# KiCad board popstar.kicad_pcb (continued)
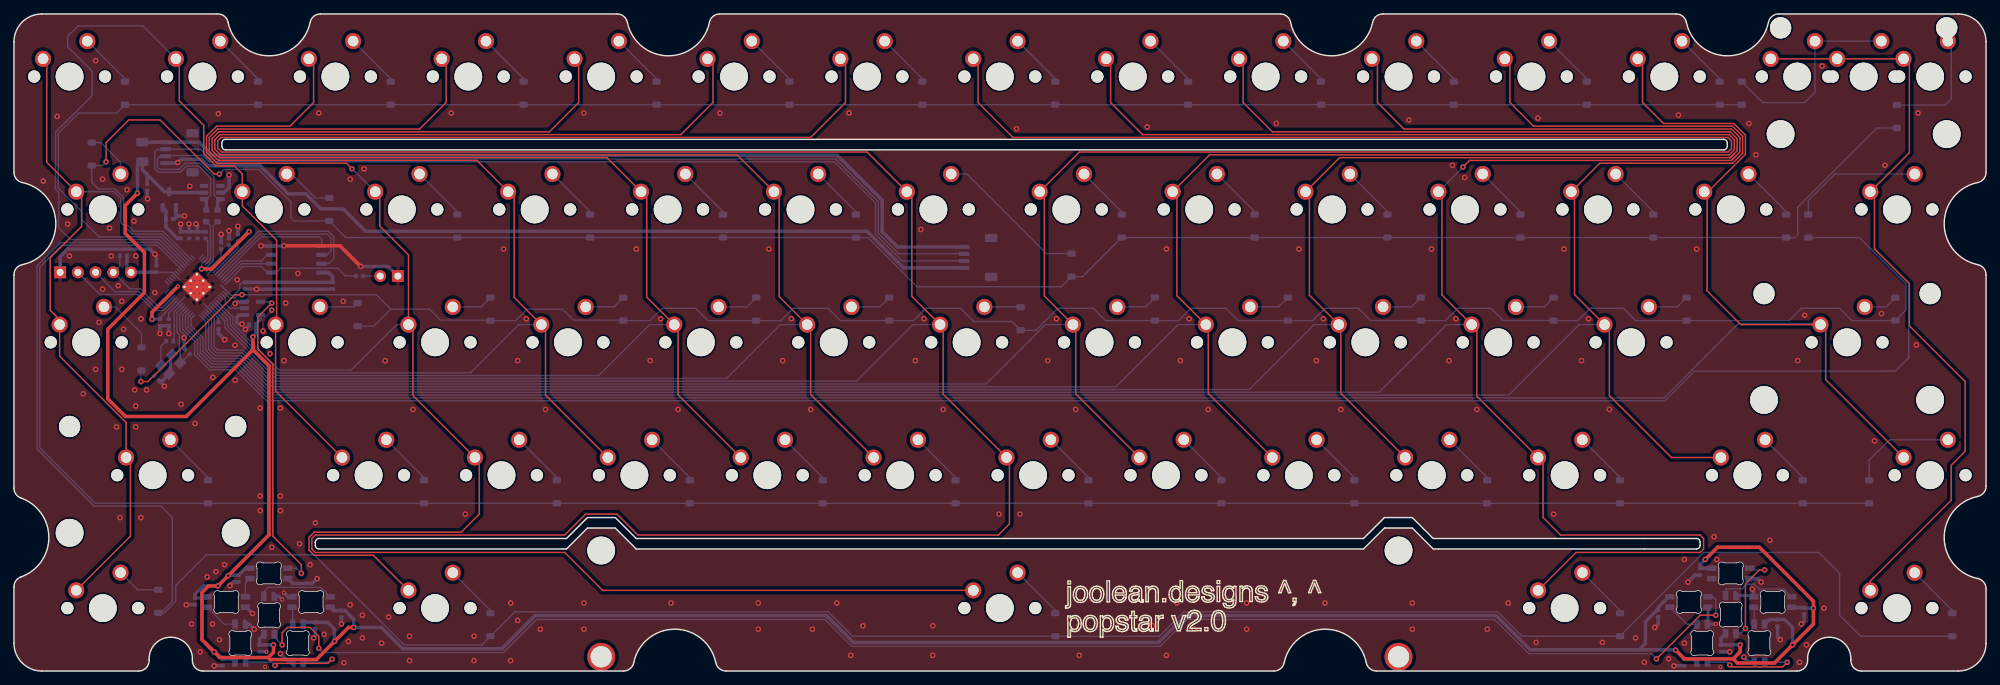
[diagram p0: board, top side]
## Nets (continued)
Net-(D45-A): D45.2 SW35.2
Net-(D46-A): D46.2 SW36.2
Net-(D47-A): D47.2 SW37.2
Net-(D48-A): D48.2 SW38.2
Net-(D49-A): D49.2 SW39.2
Net-(D50-A): D50.2 SW40.2
Net-(D51-A): D51.2 SW41.2
Net-(D52-A): D52.2 SW42.2
Net-(D53-A): D53.2 SW43.2
Net-(D54-A): D54.2 SW44.2
Net-(D55-A): D55.2 SW45.2
Net-(D56-A): D56.2 SW46.2
Net-(D57-A): D57.2 SW47.2
Net-(D58-A): D58.2 SW48.2
Net-(D59-A): D59.2 SW49.2
Net-(D60-A): D60.2 SW50.2
Net-(D61-A): D61.2 SW51.2
Net-(D62-A): D62.2 SW52.2
Net-(D63-A): D63.2 SW53.2
Net-(D64-A): D64.2 SW54.2
Net-(D65-A): D65.2 SW55.2
Net-(D66-A): D66.2 SW56.2
Net-(D67-A): D67.2 SW57.2
Net-(D68-A): D68.2 SW58.2
Net-(D69-A): D69.2 SW59.2
Net-(D70-A): D70.2 SW60.2
Net-(D71-A): D71.2 SW61.2
Net-(D72-A): D72.2 SW62.2

Pads without a net: D12 2; J1 MP; J1#2 MP; U3 1 6; U6 4 5 27 28 29 30 31 32 34 35

## Via types
v1: diameter 0.8, hole 0.4, Top to Bottom, 255 vias
v2: diameter 0.6, hole 0.3, Top to Bottom, 7 vias

## Routing (per net, layer and track width the routed paths; a pad name or vN(x,y) marks a point on that pad's centre or on a via; arc(x,y) is an arc through that point)
+1V1: length 32.7
  Top w0.5: v1(19.79,50.43) 19.79,51.44 v2(23.5,55.15) ; v1(26.9,57.65) 28.35,57.65 v1(33.7,63)
  Bottom w0.2: U6.50 32.11,60.65 C1.1 ; U6.23 20.93,50.61 C3.1 ; C2.1 27.77,61.72 27.77,59.14 U6.45 26.9,58.28 v1(26.9,57.65)
  Bottom w0.5: C1.1 32.33,61.63 v1(33.7,63) ; v1(19.79,50.43) 19.83,50.47 C3.1
+3V3: length 54
  Bottom w0.2: 24.49,53.6 U6.22 22.2,51.31 C9.1 ; C5.1 32.71,55.73 32.36,55.38 32.36,54.74 31.5,53.88 31.09,53.88 U6.1 29.62,55.35 ; 27.57,57.25 U6.48 29.69,59.37 C11.1 ; C12.1 29.31,50.57 U6.10 27.1,52.78 ; C7.1 30.84,59.95 U6.49 27.83,56.94 ; C8.1 22.69,57.19 U6.33 ; U6.33 23.73,56.15 ; U6.33 22.72,57.16
  Bottom w0.5: R1.1 16.2,59.53 16.2,57.74 J2.5 16.81,57.19 C8.1 ; U4.8 45.07,57.13 45.7,56.5 C17.1 45.7,55.73 C5.1 ; C4.1 23.43,62.02 21.78,63.67 C16.1 21.78,65.96 U2.2
+5V: length 466.4
  Top w0.5: 36.45,1.94 37.2,2.69 v1(37.2,3.75) ; 36.45,1.94 29.51,1.94 v1(28.7,2.75) ; 36.45,1.94 36.74,1.65 43.35,1.65 v1(45.95,4.25) 47.95,6.25 v1(48.7,6.25) ; 27.58,3.87 v1(28.7,2.75) ; 27.58,3.87 v1(28.7,2.75) ; 27.58,3.87 26.95,4.5 26.95,11.25 27.91,12.2 v1(29.25,12.2) v1(30.72,13.68) 36.55,19.51 36.55,43.77 34.25,46.07 34.25,47 ; 246.45,1.75 247.05,1.15 252.35,1.15 v1(254.95,3.75) 257.95,6.75 v1(257.95,9) 257.95,10 250.2,17.75 244.2,17.75 v1(242.45,16) ; 246.45,1.75 247.45,2.75 v1(247.45,3.75) ; 246.45,1.75 239.45,1.75 v1(238.2,3) ; v1(34.25,47.91) 34.25,47 ; 34.25,47 34.25,46.05 24.7,36.5 15.98,36.5 13.45,39.03 13.45,49 18.7,54.25 18.7,60 15.95,62.75 15.95,66.75 v1(17.7,68.5)
  Bottom w0.5: v1(45.95,4.25) 45.95,6 44.97,6.98 C22.1 41.71,6.98 D4.1 ; v1(254.95,3.75) 254.95,6.25 253.82,7.38 C27.1 251.61,7.38 D9.1 ; U5.5 35.34,50.41 C18.1 34.68,48.34 v1(34.25,47.91) ; D11.1 244.7,4.72 C29.1 244.72,3.75 v1(247.45,3.75) ; D6.1 35.2,4.65 C24.1 35.22,3.75 v1(37.2,3.75) ; 232.95,3.05 238.15,3.05 v1(238.2,3) 239.45,1.75 C26.1 240.8,1.73 D8.1 ; 232.95,3.05 233.87,3.97 233.87,7.08 235.52,8.73 C25.1 235.7,9.15 237.2,10.65 237.38,10.65 ; 232.95,3.05 217.37,3.05 212.47,7.95 167.93,7.95 164.07,4.09 120.33,4.09 116.47,7.95 74.7,7.95 69.95,3.2 55.72,3.2 52.67,6.25 v1(48.7,6.25) 48.7,7.43 47.45,8.68 C23.1 45.8,8.68 D5.1 ; D1.1 33.22,14.75 C19.1 30.77,13.73 v1(30.72,13.68) ; v1(257.95,9) 256.68,9 C28.1 254.9,9.08 D10.1 ; U3.5 22.38,68.59 U2.3 21.57,68.71 18.74,71.54 ; 18.74,71.54 19.09,71.19 C15.1 ; 18.74,71.54 18.39,71.89 F1.2 17.7,72.34 v1(17.7,68.5) ; v1(28.7,2.75) 28.93,2.75 C21.1 31.25,1.73 D3.1 ; 243.38,14.75 243.36,14.73 C30.1 241.7,15.25 v1(242.45,16) ; v1(29.25,12.2) 27.16,12.2 25.95,11 C20.1 27.56,10.48 D2.1
GND: length 279.2
  Top w0.5: v1(49.7,58) 46.73,60.97 v1(38.71,60.97)
  Top w0.6: U6.57 U6.57 ; U6.57 U6.57 ; U6.57 U6.57 ; U6.57 U6.57 ; U6.57 U6.57 ; U6.57 U6.57 ; U6.57 U6.57 ; U6.57 U6.57 ; U6.57 U6.57 ; U6.57 U6.57 ; U6.57 U6.57 ; U6.57 U6.57 ; U6.57 U6.57 ; U6.57 U6.57 ; U6.57 U6.57 ; U6.57 U6.57
  Bottom w0.2: 34.74,54.77 v1(34.77,54.74) ; v1(24.4,47.79) 24.4,48.22 23.76,48.86 23.76,49.5 ; 23.76,49.5 23.76,51.18 U6.19 ; 23.76,49.5 23.76,49.05 ; 24.48,46.16 C13.1 ; 243.93,6.72 v2(243.95,6.75)
  Bottom w0.5: v2(36.2,2.75) 36.18,2.77 C24.2 ; v1(24.7,9.5) 24.72,9.52 C20.2 ; D3.4 33.73,6.72 v1(34.45,6) ; v1(38.71,60.97) 38.68,60.94 U4.4 35.44,60.94 v1(35.41,60.97) ; C25.2 235.7,6.75 v1(235.2,6.25) ; v1(34.77,54.74) 45.68,54.74 C17.2 ; v2(38.7,11.25) 39.3,10.65 D5.4 ; v1(245.95,2.75) 245.93,2.77 C29.2 ; C12.2 29.31,48.39 v1(30.2,47.5) ; J1.4 127.53,57.8 122.29,63.04 50.41,63.04 47.2,66.25 44.02,66.25 41.86,68.41 39.32,68.41 35.27,72.45 27.77,72.45 26.86,73.36 23.92,73.36 v1(23.47,72.91) 23.37,72.8 J1#2.4 ; v1(43.45,13.25) 42.75,12.55 39.98,12.55 39.28,13.25 ; v1(237.95,0.75) 237.97,0.77 C26.2 ; 23.45,65.25 23.21,65.49 U2.1 ; 23.45,65.25 v1(24.45,65.25) ; 23.45,65.25 23.01,64.81 C16.2 ; 243.93,6.72 D8.4 242.83,6.8 D7.4 ; C23.2 v1(46.95,6.75) ; v1(24.4,47.79) 24.4,46.24 C13.1 ; C30.2 240.97,13.77 v1(239.95,12.75) ; C18.2 33.72,49.52 v1(33.18,48.98) ; Y1.2 22.44,45.19 22.44,42.79 Y1.4 21.28,41.63 C14.1 v1(21.56,40.82) ; C5.2 34.74,54.77 ; v1(23.9,64.09) C4.2 C6.2 ; v1(32.7,49.75) 32.2,49.75 31.95,50 31.95,50.75 32.25,51.05 U5.1 ; U5.3 31.95,52.95 v1(31.7,52.7) ; C1.2 v1(32.11,63.76) ; v1(20.93,48.39) C3.2 C9.2 v1(22.2,48.39) ; D9.4 248.68,1.27 v1(247.95,2) ; D11.4 249.2,10.82 249.38,10.65 249.38,11.57 v1(249.2,11.75) ; D6.4 37.98,10.72 v2(38.45,10.25) ; v1(30.95,12.25) 31.47,12.77 C19.2 ; C21.2 28.72,0.77 v1(28.7,0.75) ; v1(38.2,2.5) 39.43,1.27 D4.4 ; C10.2 26.3,63.89 v1(26.1,64.09) ; C10.2 C6.2 ; C10.2 C2.2 ; v1(250.45,12.75) 249.95,13.25 D12.4 ; v1(34.2,8.25) 33.3,9.15 D2.4 ; v1(30.84,71.13) 30.84,69.3 30.12,68.59 U3.2 ; C6.2 v1(25.1,64.09) ; C8.2 20.42,59.53 v1(20.2,59.75) 19.45,60.5 7.7,60.5 6.62,59.42 J2.1 ; v1(42.95,4.75) 43.2,5 C22.2 ; C15.2 19.09,67.76 v1(19.15,67.7) ; v1(256.2,6.75) 256.6,7.15 C28.2 ; v1(253.2,4.5) 252.8,4.9 C27.2 ; C11.2 v1(29.69,62.62) ; C7.2 v1(30.84,63.13) ; SW1.1 53.66,58 v1(49.7,58)
  vias: v1(4.2,70.25) v1(6.2,79.5) v1(7.7,64.1) v1(7.95,59.5) v1(9.95,39.75) v1(11.7,87.5) v1(11.7,43.25) v1(12.2,50) v1(12.7,70.5) v1(12.7,54.75) v1(13.7,63.5) v1(13.95,59.5) v1(14.7,35) v1(14.95,55.25) v1(15.2,22) v1(15.45,53) v1(15.45,43.25) v1(15.7,49) v1(16.2,69) v1(17.2,64.5) v1(17.3,40.3) v1(17.45,59.5) v1(17.45,38) v1(17.45,35) v1(18.2,50.5) v1(18.2,22) v1(19,40.3) v1(20.2,54.25) v1(23.95,38.25) v1(25.2,69.5) v1(25.45,6.75) v1(25.95,35.5) v1(26.7,2.75) v1(27.7,13.5) v1(28.5,42.1) v1(28.45,6.75) v1(28.95,14.25) v1(29.3,79.9) v1(29.45,4.5) v1(30.2,15.25) v1(31.7,46.7) v1(31.7,41.7) v1(32,56.1) v1(35.3,37.7) v1(35.3,25.1) v1(35.3,23) v1(35.7,48.75) v1(36.7,45.5) v1(36.95,51.75) v1(36.95,17.75) v1(38.2,37.7) v1(38.2,25.1) v1(38.2,23) v1(38.7,44.5) v1(38.95,52.75) v1(40.7,57) v1(40.95,18.25) v1(42.45,15.25) v1(43.2,21.25) v1(43.7,80) v1(44.45,5.25) v1(47.2,53) v1(47.3,1.2) v1(47.95,4.25) v1(48.2,70.5) v1(48.2,9.5) v1(49.95,8) v1(49.95,4.75) v1(50.2,72) v1(52.7,4) v1(53.2,44.5) v1(53.7,7.75) v1(56.7,5) v1(56.7,1.5) v1(57.2,37.5) v1(62.7,80) v1(64.7,22.5) v1(65.95,5) v1(65.95,1.5) v1(70.2,60.5) v1(71.2,9.75) v1(71.2,1.5) v1(72.2,44.5) v1(72.2,7.25) v1(73.45,50.5) v1(75.45,6) v1(76.2,37.5) v1(81.7,80) v1(81.7,9.75) v1(81.7,6) v1(89.2,60.5) v1(91.2,44.5) v1(92.7,50.5) v1(94.2,9.75) v1(95.2,37.5) v1(101.2,80) v1(106.7,9.75) v1(106.7,6) v1(108.2,60.5) v1(110.2,44.5) v1(111.45,50.5) v1(114.2,37.5) v1(114.45,6) v1(117.95,9.75) v1(119.7,80) v1(119.95,2.25) v1(121.7,6.5) v1(129.2,44.5) v1(130,63.3) v1(130.45,50.5) v1(131.7,6.5) v1(131.7,2.25) v1(133.2,37.5) v1(141.2,22.5) v1(143.7,77.75) v1(144.2,22.5) v1(148.2,44.5) v1(149.45,50.5) v1(152.2,37.5) v1(152.7,6.5) v1(152.7,2.25) v1(162.45,78) v1(163.2,6.5) v1(165.2,60.5) v1(165.2,2.25) v1(166.7,9.75) v1(167.2,44.5) v1(168.45,50.5) v1(169.2,6) v1(171.2,37.5) v1(176.7,9.75) v1(176.7,6) v1(180.95,78.5) v1(184.2,60.5) v1(186.7,44.5) v1(187.7,50.5) v1(187.95,9.75) v1(190.2,37.5) v1(199.95,79) v1(200.45,9.75) v1(200.45,6) v1(203.2,60.5) v1(205.7,44.5) v1(206.2,72.5) v1(206.7,50.5) v1(207.95,70.75) v1(209.7,37.5) v1(211.2,6) v1(214.2,9.75) v1(218.2,4.1) v1(218.45,79.25) v1(220.7,22.5) v1(222.2,60.5) v1(224.7,44.5) v1(225.7,50.5) v1(227.7,4.1) v1(228.7,37.5) v1(232.45,4.75) v1(233.7,1.25) v1(237.2,1.75) v1(238.6,79.7) v1(239.45,16) v1(239.45,4) v1(241.2,60.5) v1(243.7,19.25) v1(244.1,16) v1(248.7,78.5) v1(249.7,74) v1(251.7,18.75) v1(255.7,44.5) v1(255.95,1.25) v1(256.7,51) v1(256.95,3.75) v1(259.2,86.75) v1(259.45,9) v1(266.7,33) v1(267.7,51.25) v1(268.2,72.5) v1(272.7,46.75) v1(272.95,80) v2(36,0.6) v2(244.6,0.6)
VBUS: length 126.7
  Bottom w0.5: J1.1 126.65,60.8 124.45,63 124.45,67.5 118,73.95 28.39,73.95 26.54,75.8 J1#2.1 21.7,75.83 F1.1
/D_+: length 6.7
  Bottom w0.2: R2.2 28.57,63.81 28.57,58.81 U6.47
/D_-: length 6.4
  Bottom w0.2: U6.46 28.17,58.98 28.17,63.82 R3.2
/XTAL_O: length 5.7
  Bottom w0.2: R4.1 21.07,46.56 Y1.1 21.07,43.3 C14.2
/~{USB_BOOT}: length 2.5
  Bottom w0.2: SW1.2 50.07,56.62 R5.1
ARGB_3V3: length 4.4
  Bottom w0.2: U5.2 30.95,52 30.31,52.64 30.31,53.53 U6.3
ARGB_5V: length 46.1
  Top w0.2: v1(41.2,14) 41.2,15.25 37.1,19.35 37.1,44 34.95,46.15 34.95,50.75 v1(36.95,52.75)
  Bottom w0.2: v1(36.95,52.75) 36.75,52.95 U5.4 ; 39.28,14.75 40.45,14.75 v1(41.2,14)
COL00: length 110.6
  Top w0.2: SW2.1 4.7,87.23 4.7,72.94 9.7,67.94 9.7,63.75 5.2,59.25 5.2,51.72 6.55,50.38 SW30.1 6.55,45.15 16.07,35.63 SW43.1 16.7,29.99 16.7,19.34 8.93,11.56
  Bottom w0.2: 8.93,68.71 14.33,68.71 15.3,67.75 15.3,64.33 16.98,62.65 21.19,62.65 U6.40
COL01: length 138.4
  Top w0.2: SW44.1 37.5,40.14 SW31.1 37.65,49.81 37.65,61.76 32.74,66.67 32.74,71.26 31.6,72.4 28.97,72.4 27.2,74.17 27.2,78.25 23.7,81.75 23.7,87.28 SW3.1
  Bottom w0.2: U6.38 20.86,61.85 8.11,61.85 6.43,63.53 6.43,68.59 5.95,69.08 5.95,77.25 11.2,82.5 11.2,86 7.7,89.5 7.7,91 9.2,92.5 18.48,92.5 SW3.1
COL02: length 184.2
  Top w0.2: 56.55,11.56 51.52,16.6 43.03,16.6 42.3,17.33 42.3,19.17 43.03,19.9 64.1,19.9 66.7,22.5 66.7,30 66.09,30.61 SW45.1 57.19,39.5 57.19,49.03 SW32.1 56.55,59.67 52.43,63.79 52.43,68.08 51.79,68.71 ; v1(48.45,72) 47.65,72.8 29.14,72.8 27.6,74.34 27.6,76.66 29.04,78.1 39.55,78.1 42.95,81.5 42.95,87.08 SW4.1
  Bottom w0.2: SW32.1 54.87,49.66 48.36,43.16 38.02,43.16 31.4,49.77 31.4,50.74 U6.6 ; v1(48.45,72) 48.51,72 51.79,68.71
COL03: length 188.2
  Top w0.2: SW46.1 76.2,39.54 76.2,49.07 SW33.1 71.7,53.57 71.7,67.85 66.36,73.2 29.3,73.2 28,74.5 28,76.5 29.2,77.7 58.15,77.7 61.95,81.5 61.95,87.13 SW5.1
  Bottom w0.2: SW33.1 72.37,49.66 65.46,42.76 37.85,42.76 31,49.61 31,50.58 U6.7
COL04: length 244.8
  Top w0.2: SW47.1 95.2,39.59 95.2,49.12 SW34.1 90.7,53.62 90.7,67.9 85.01,73.6 29.47,73.6 28.4,74.67 28.4,76.33 29.37,77.3 76.75,77.3 80.95,81.5 80.95,87.18 SW6.1
  Bottom w0.2: U6.8 30.6,50.41 30.6,49.44 37.68,42.36 83.81,42.36 91.12,49.66 SW34.1
COL05: length 302.2
  Top w0.2: SW48.1 114.2,39.64 114.2,49.17 SW35.1 109.7,53.67 109.7,67.95 103.66,74 29.63,74 28.8,74.83 28.8,76.17 29.53,76.9 95.6,76.9 100.2,81.5 100.2,86.98 SW7.1
  Bottom w0.2: 29.82,50.62 30.2,50.25 ; 29.82,50.62 U6.9 ; 29.82,50.62 30.2,50.25 ; 30.2,50.25 30.2,49.28 37.52,41.96 102.16,41.96 109.87,49.66 SW35.1
COL06: length 572.1
  Top w0.2: SW8.1 119.2,87.03 119.2,81.5 114.2,76.5 29.7,76.5 29.2,76 29.2,75 29.8,74.4 122.31,74.4 128.7,68 128.7,53.72 SW36.1 133.2,49.22 133.2,39.69 SW49.1 142.7,30.19 142.7,21.1 141.1,19.5 89.45,19.5 86.45,22.5 81.95,22.5 78.95,19.5 43.2,19.5 42.7,19 42.7,17.5 43.2,17 78.95,17 84.39,11.56 137.52,11.56
  Bottom w0.2: U6.11 28.7,50.61 28.7,46.5 29.2,46 32.91,46 37.35,41.56 120.76,41.56 128.87,49.66 SW36.1
COL07: length 398.2
  Top w0.2: SW9.1 138.2,87.08 138.2,81.5 143.2,76.5 245.7,76.5 246.2,76 246.2,74.9 245.7,74.4 152.73,74.4 147.04,68.71 147.7,68.05 147.7,53.77 SW37.1 151.8,49.4 152.2,49 152.2,39.74 SW50.1
  Bottom w0.2: SW37.1 147.87,49.66 139.36,41.16 37.19,41.16 32.74,45.6 29.03,45.6 28.3,46.33 28.3,50.45 U6.12
COL08: length 381.1
  Top w0.2: SW10.1 157.2,87.13 157.2,81.5 161.8,76.9 245.87,76.9 246.6,76.17 246.6,74.73 245.87,74 171.38,74 166.09,68.71 166.7,68.1 166.7,53.82 SW38.1 ; SW38.1 171.04,49.66 171.2,49.5 ; SW38.1 171.2,49.32 171.2,39.79 SW51.1
  Bottom w0.2: U6.13 27.9,50.28 27.9,46.17 28.87,45.2 32.58,45.2 37.02,40.76 157.96,40.76 166.87,49.66 SW38.1
COL09: length 363.9
  Top w0.2: SW52.1 190.2,39.84 190.2,49.37 SW39.1 185.7,53.87 185.7,68.15 185.14,68.71 190.03,73.6 246.03,73.6 ; 246.03,73.6 246.57,74.13 ; 246.03,73.6 246.57,74.13 ; 246.57,74.13 247,74.57 247,76.33 246.03,77.3 180.4,77.3 176.2,81.5 176.2,87.18 SW11.1
  Bottom w0.2: U6.14 27.5,50.12 27.5,46 28.7,44.8 32.41,44.8 36.86,40.36 177.06,40.36 186.37,49.66 SW39.1
COL10: length 407.8
  Top w0.2: SW12.1 195.45,86.98 195.45,81.5 199.25,77.7 246.2,77.7 247.4,76.5 247.4,74.4 246.6,73.6 ; 246.2,73.2 208.65,73.2 v1(207.7,72.25) ; 246.2,73.2 246.6,73.6 ; 246.2,73.2 246.6,73.6 ; 218.48,11.56 223.91,17 241.7,17 242.2,17.5 242.2,19 241.7,19.5 221.7,19.5 219.2,22 219.2,29.89 SW53.1 209.7,39.39 209.7,48.92 SW40.1 204.7,53.92 204.7,68.2 204.19,68.71
  Bottom w0.2: 204.19,68.71 207.7,72.22 v1(207.7,72.25) ; SW40.1 205.37,49.66 195.66,39.96 36.69,39.96 32.25,44.4 28.54,44.4 27.1,45.84 27.1,47.78 25.38,49.5 25.38,50.53 U6.15
COL11: length 336.6
  Top w0.2: SW13.1 214.45,87.03 214.45,81.5 217.85,78.1 246.36,78.1 247.8,76.66 247.8,74.24 246.36,72.8 227.33,72.8 223.24,68.71 223.7,68.25 223.7,53.97 SW41.1 228.7,48.97 228.7,39.5 237.59,30.61 SW54.1
  Bottom w0.2: U6.16 24.98,50.7 24.98,49.33 26.7,47.61 26.7,45.67 28.37,44 32.08,44 36.53,39.56 214.26,39.56 224.37,49.66 SW41.1
COL12: length 337.3
  Top w0.2: SW55.1 259.7,41.78 259.7,48.92 SW42.1 247.54,49.66 242.7,54.5 242.7,68.3 242.29,68.71 242.84,68.71 248.2,74.07 248.2,76.83 246.53,78.5 236.45,78.5 233.45,81.5 233.45,87.08 SW14.1
  Bottom w0.2: SW42.1 258.79,49.84 247.2,49.84 236.52,39.16 36.36,39.16 31.92,43.6 28.21,43.6 26.3,45.51 26.3,47.45 24.58,49.17 24.58,50.87 U6.17
COL13: length 394.1
  Top w0.2: SW16.1 SW15.1 SW61.1 271.7,86.93 271.7,74.31 266.1,68.71 266.7,68.12 266.7,60.5 271.7,55.5 271.7,49.5 279.7,41.5 279.7,31.5 277.7,29.5 277.7,24.5 266.1,12.9 266.1,11.56
  Bottom w0.2: 266.1,68.71 266.7,68.12 266.7,60.57 271.6,55.67 271.6,44.9 269.7,43 240.93,43 236.68,38.76 36.19,38.76 31.75,43.2 ; 31.2,43.2 31.75,43.2 ; 31.2,43.2 28.04,43.2 25.9,45.34 25.9,47.28 24.18,49 24.18,51.03 U6.18 ; 31.2,43.2 31.75,43.2
CS: length 20.6
  Bottom w0.2: U6.56 32.84,58 35.45,58 36.32,57.13 U4.1 37.58,57.13 38.2,57.75 46.37,57.75 47.47,56.65 R5.2
D_N: length 142.1
  Bottom w0.2: J1.2 126.87,59.8 123.9,62.77 123.9,67.27 117.77,73.4 28.16,73.4 26.76,74.8 J1#2.2 20.54,74.8 20.17,74.43 20.17,72.02 20.68,71.51 23.83,71.51 24.72,72.4 26.48,72.4 28.17,70.71 28.17,68.25 27.56,67.64 U3.4
  Bottom w0.5: R3.1 27.56,67.32 U3.4
D_P: length 140.8
  Bottom w0.2: J1.3 127.31,58.8 123.5,62.61 123.5,67.11 117.6,73 28,73 27.09,73.91 21.83,73.91 J1#2.3 20.96,73.8 20.57,73.41 20.57,72.18 20.84,71.91 23.66,71.91 24.55,72.8 26.64,72.8 28.67,70.77 28.67,68.25 29.29,67.64 U3.3
  Bottom w0.5: R2.1 29.18,67.22 U3.3
QSPI_CLK: length 22.2
  Bottom w0.2: U4.6 44.9,59.67 45.44,60.21 45.44,62.11 44.91,62.64 35.22,62.64 U6.52
ROW0: length 274.4
  Bottom w0.2: U6.39 21.02,62.25 12.2,62.25 9.7,64.75 9.7,65.89 6.35,69.24 6.35,77.08 9.27,80 14.72,80 D13.1 D14.1 D15.1 D16.1 D17.1 D18.1 D19.1 D20.1 D21.1 D22.1 D23.1 D24.1 D25.1 D26.1
ROW1: length 309.8
  Top w0.2: v1(13.2,73) 13.2,75.75 16.45,79 20.95,79 28.7,71.25 v1(29.45,71.25)
  Bottom w0.2: v1(29.45,71.25) 30.11,71.9 35.05,71.9 39.7,67.25 39.7,65 40.18,64.52 D28.1 47.58,62.14 D29.1 D30.1 D31.1 D32.1 122.41,62.14 129.45,55.1 150.15,55.1 D33.1 153.19,56.55 D34.1 D35.1 D36.1 D37.1 D38.1 D39.1 255.34,62.14 255.7,62.5 255.7,66.5 267.05,77.85 D71.1 ; U6.41 21.36,63.05 17.15,63.05 15.7,64.5 15.7,67.91 14.5,69.11 12.09,69.11 11.15,70.05 D27.1 12.66,72.46 v1(13.2,73)
ROW2: length 306.9
  Top w0.2: v1(18.2,41.5) 19.21,41.5 31.66,53.95 v1(32.68,53.95)
  Bottom w0.2: D40.1 18.2,43 v1(18.2,41.5) ; 31.69,53.51 32.13,53.95 v1(32.68,53.95) 51.95,53.95 54.01,51.89 ; 31.69,53.51 31.66,53.48 ; 31.69,53.51 31.66,53.48 ; 54.01,51.89 59.57,51.89 61.16,50.3 68.24,50.3 D42.1 71.94,50.24 73.59,51.89 78.62,51.89 80.21,50.3 87.29,50.3 D43.1 91.19,50.24 92.95,52 97.7,52 99.46,50.24 D44.1 109.94,50.24 111.7,52 116.7,52 118.46,50.24 D45.1 128.94,50.24 130.7,52 135.7,52 137.6,50.1 143.05,50.1 D46.1 146.48,48.85 149.63,52 154.7,52 156.46,50.24 D47.1 166.94,50.24 168.7,52 173.7,52 175.46,50.24 D48.1 186.19,50.24 187.95,52 192.7,52 194.45,50.25 201.64,50.25 D49.1 205.19,50.24 206.95,52 211.7,52 213.45,50.25 220.69,50.25 D50.1 224.19,50.24 225.95,52 230.7,52 232.46,50.24 D51.1 254.44,50.24 256.2,52 261.7,52 263.46,50.24 D52.1 271.2,51.74 271.2,55.5 264.56,62.14 D72.1 ; 54.01,51.89 51.57,49.44 D41.1 ; 31.66,53.48 30.92,53.48 U6.2
ROW3: length 314.4
  Bottom w0.2: U6.36 20.53,61.05 6.85,61.05 3.7,57.9 3.7,32 11.66,24.04 D53.1 D54.1 D55.1 D56.1 D57.1 D58.1 D59.1 D60.1 D61.1 D62.1 D63.1 D64.1 D65.1
ROW4: length 376.3
  Bottom w0.2: U6.37 20.69,61.45 ; 20.69,61.45 19.7,61.45 ; 20.69,61.45 19.7,61.45 ; 19.7,61.45 6.68,61.45 3.3,58.07 3.3,31.83 11.49,23.64 21.06,23.64 22.7,22 22.7,10 21.05,8.35 D66.1 21.55,8.35 23.2,10 23.2,12.25 27.61,16.66 43.04,16.66 55.95,3.75 67.06,3.75 D67.1 71.81,8.5 116.7,8.5 120.2,5 149.26,5 D68.1 164.19,4.99 167.7,8.5 212.7,8.5 216.2,5 230.22,5 D69.1 230.23,5.02 242.2,17 258.7,17 261.7,14 261.7,8 264.71,4.99 D70.1
SD0: length 18
  Bottom w0.2: U6.53 35.39,62.24 43.79,62.24 44.12,61.91 U4.5
SD1: length 7.7
  Bottom w0.2: U4.2 32.68,58.4 U6.55
SD2: length 8.4
  Bottom w0.2: U6.54 32.51,58.8 35.45,58.8 36.32,59.67 U4.3
SD3: length 24.7
  Bottom w0.2: U4.7 44.15,58.43 45.19,58.43 45.84,59.08 45.84,62.28 45.08,63.04 35.06,63.04 U6.51
SWCLK: length 16.9
  Bottom w0.2: J2.2 12.34,53.98 17.75,53.98 20.04,51.7 21.45,51.7 U6.24
SWD: length 13.8
  Bottom w0.2: J2.3 14.48,54.38 17.92,54.38 20.21,52.1 21.29,52.1 U6.25
XTAL_IN: length 10.5
  Bottom w0.2: C13.2 23.94,44.18 Y1.3 23.85,44.19 23.85,45.91 23.7,46.05 23.7,48.25 23.36,48.59 23.36,51.34 U6.20
XTAL_OUT: length 5.6
  Bottom w0.2: U6.21 22.96,51.51 22.96,49.5 22.96,49.5 22.96,47.43 R4.2
~{RESET}: length 13.6
  Bottom w0.2: U6.26 21.12,52.5 20.42,52.5 18.14,54.78 16.62,54.78 J2.4 15.19,58.11 R1.2
Net-(D1-DOUT): length 2.9
  Bottom w0.2: D2.3 33.18,12.6 D1.2
Net-(D2-DOUT): length 5
  Bottom w0.2: D3.3 30.15,6.72 D2.2
Net-(D3-DOUT): length 17.3
  Top w0.2: v1(37.43,0.8) 37.73,1.1 45,1.1 v1(45.6,1.7)
  Bottom w0.2: v1(37.43,0.8) 36.95,1.27 D3.2 ; D4.3 45.18,1.27 v1(45.6,1.7)
Net-(D4-DOUT): length 2.5
  Bottom w0.2: D5.3 39.95,9.07 D4.2
Net-(D5-DOUT): length 11
  Bottom w0.2: D6.3 35.83,11.37 36.45,12 43.95,12 44.31,11.64 44.33,11.64 D5.2
Net-(D6-DOUT): length 225.7
  Top w0.2: v1(38.45,3.75) 38.45,5.5 39.2,6.25 42.44,6.25 43.7,4.99 v1(43.7,3.25) ; v1(243.95,8) 241.7,8 v1(235.45,1.75)
  Bottom w0.2: v1(235.45,1.75) 234.7,2.5 217.14,2.5 212.24,7.4 168.16,7.4 164.3,3.54 120.1,3.54 116.24,7.4 74.93,7.4 70.18,2.65 44.3,2.65 v1(43.7,3.25) ; D7.3 243.55,10.65 243.95,10.25 v1(243.95,8) ; D6.2 37.33,4.87 v1(38.45,3.75)
Net-(D7-DOUT): length 4.9
  Bottom w0.2: 237.38,9.15 239.8,6.72 D8.3
Net-(D8-DOUT): length 15.3
  Top w0.2: v1(254.2,1.25) 253.55,0.6 246.25,0.6 v1(245.95,0.9)
  Bottom w0.2: v1(245.95,0.9) 245.58,1.27 D8.2 ; D9.3 250.98,1.25 v1(254.2,1.25)
Net-(D10-DIN): length 2.5
  Bottom w0.2: 249.38,9.15 249.45,9.07 D9.2
Net-(D10-DOUT): length 11.4
  Bottom w0.2: D10.2 253.71,11.76 250.18,11.76 249.49,12.45 248.4,12.45 247.75,11.8 245.5,11.8 245.35,11.65 D11.3
Net-(D11-DOUT): length 13.9
  Top w0.2: v1(248.2,6.1) 248.2,12.5 250.2,14.5 v1(250.95,14.5)
  Bottom w0.2: D11.2 247.48,5.37 v1(248.2,6.1) ; v1(250.95,14.5) 249.08,14.5 D12.3
Net-(D13-A): length 8
  Bottom w0.2: D13.2 15.91,84.91 SW2.2
Net-(D14-A): length 8
  Bottom w0.2: SW3.2 34.96,84.91 D14.2
Net-(D15-A): length 8
  Bottom w0.2: D15.2 54.01,84.91 SW4.2
Net-(D16-A): length 8
  Bottom w0.2: D16.2 73.06,84.91 SW5.2
Net-(D17-A): length 8
  Bottom w0.2: D17.2 92.11,84.91 SW6.2
Net-(D18-A): length 8
  Bottom w0.2: SW7.2 111.16,84.91 D18.2
Net-(D19-A): length 8
  Bottom w0.2: D19.2 130.21,84.91 124.82,90.3
Net-(D20-A): length 8
  Bottom w0.2: D20.2 149.26,84.91 SW9.2
Net-(D21-A): length 8
  Bottom w0.2: SW10.2 168.31,84.91 D21.2
Net-(D22-A): length 8
  Bottom w0.2: SW11.2 187.36,84.91 D22.2
Net-(D23-A): length 8
  Bottom w0.2: D23.2 206.41,84.91 SW12.2
Net-(D24-A): length 8
  Bottom w0.2: SW13.2 225.46,84.91 D24.2
Net-(D25-A): length 8
  Bottom w0.2: SW14.2 244.51,84.91 D25.2
Net-(D26-A): length 29.2
  Bottom w0.2: D26.2 250.68,81.5 256.7,81.5 258.17,82.96 258.17,90.3 SW15.2
Net-(D27-A): length 7
  Bottom w0.2: D27.2 12.44,75.76 15.28,72.92 15.28,71.25
Net-(D28-A): length 6.8
  Bottom w0.2: D28.2 43.22,67.82 39.79,71.25
Net-(D29-A): length 8
  Bottom w0.2: D29.2 63.54,65.86 58.14,71.25
Net-(D30-A): length 8
  Bottom w0.2: D30.2 82.59,65.86 77.19,71.25
Net-(D31-A): length 8
  Bottom w0.2: D31.2 101.64,65.86 96.24,71.25
Net-(D32-A): length 8
  Bottom w0.2: 115.29,71.25 120.69,65.86 D32.2
Net-(D33-A): length 22
  Bottom w0.2: 134.34,71.25 136.6,71.25 148.01,59.85 D33.2
Net-(D34-A): length 8
  Bottom w0.2: 153.39,71.25 158.79,65.86 D34.2
Net-(D35-A): length 8
  Bottom w0.2: 172.44,71.25 177.84,65.86 D35.2
Net-(D36-A): length 8
  Bottom w0.2: D36.2 196.89,65.86 191.49,71.25
Net-(D37-A): length 8
  Bottom w0.2: D37.2 215.94,65.86 210.54,71.25
Net-(D38-A): length 8
  Bottom w0.2: 229.59,71.25 234.99,65.86 D38.2
Net-(D39-A): length 8
  Bottom w0.2: D39.2 254.04,65.86 248.64,71.25
Net-(D40-A): length 9
  Bottom w0.2: SW30.2 14.5,52.2 18.29,48.41 D40.2
Net-(D41-A): length 5.6
  Bottom w0.2: D41.2 48.71,52.2 SW31.2
Net-(D42-A): length 5.9
  Bottom w0.2: SW32.2 66.97,52.2 D42.2
Net-(D43-A): length 5.9
  Bottom w0.2: D43.2 86.02,52.2 SW33.2
Net-(D44-A): length 5.9
  Bottom w0.2: SW34.2 105.07,52.2 D44.2
Net-(D45-A): length 5.9
  Bottom w0.2: SW35.2 124.12,52.2 D45.2
Net-(D46-A): length 5.2
  Bottom w0.2: SW36.2 144.25,52.2 D46.2
Net-(D47-A): length 5.9
  Bottom w0.2: D47.2 162.22,52.2 SW37.2
Net-(D48-A): length 5.9
  Bottom w0.2: D48.2 181.27,52.2 SW38.2
Net-(D49-A): length 5.9
  Bottom w0.2: D49.2 200.32,52.2 SW39.2
Net-(D50-A): length 5.9
  Bottom w0.2: SW40.2 219.37,52.2 D50.2
Net-(D51-A): length 5.9
  Bottom w0.2: D51.2 238.42,52.2 SW41.2
Net-(D52-A): length 4.9
  Bottom w0.2: D52.2 268.37,52.2 SW42.2
Net-(D53-A): length 8
  Bottom w0.2: D53.2 27.82,27.76 SW43.2
Net-(D54-A): length 8
  Bottom w0.2: SW44.2 58.78,27.76 D54.2
Net-(D55-A): length 8
  Bottom w0.2: SW45.2 77.83,27.76 D55.2
Net-(D56-A): length 8
  Bottom w0.2: SW46.2 96.88,27.76 D56.2
Net-(D57-A): length 8
  Bottom w0.2: SW47.2 115.93,27.76 D57.2
Net-(D58-A): length 8
  Bottom w0.2: SW48.2 134.98,27.76 D58.2
Net-(D59-A): length 8
  Bottom w0.2: SW49.2 154.03,27.76 D59.2
Net-(D60-A): length 8
  Bottom w0.2: D60.2 173.08,27.76 SW50.2
Net-(D61-A): length 8
  Bottom w0.2: SW51.2 192.13,27.76 D61.2
Net-(D62-A): length 8
  Bottom w0.2: D62.2 211.18,27.76 SW52.2
Net-(D63-A): length 8
  Bottom w0.2: SW53.2 230.23,27.76 D63.2
Net-(D64-A): length 8
  Bottom w0.2: SW54.2 256.42,27.76 D64.2
Net-(D65-A): length 15.4
  Bottom w0.2: D65.2 265.94,30.24 268.86,33.15 SW55.2
Net-(D66-A): length 6.4
  Bottom w0.2: D66.2 17.73,11.65 SW56.2
Net-(D67-A): length 8
  Bottom w0.2: SW57.2 68.3,8.71 D67.2
Net-(D68-A): length 8
  Bottom w0.2: SW58.2 149.26,8.71 D68.2
Net-(D69-A): length 8
  Bottom w0.2: SW59.2 230.23,8.71 D69.2
Net-(D70-A): length 8
  Bottom w0.2: SW60.2 277.85,8.71 D70.2
Net-(D71-A): length 16.6
  Bottom w0.2: D71.2 276.85,81.15 277.7,82 277.7,89.82 SW61.2
Net-(D72-A): length 18.8
  Bottom w0.2: D72.2 257.21,67.45 261.02,71.25 272.45,71.25

## Copper pours and planes (outline as drawn; the poured copper is in the pictures)
+1V1 on Bottom: 23.77,55 23.72,54.93 23.67,54.89 23.61,54.86 23.55,54.84 23.47,54.84 23.41,54.85 23.36,54.87 23.31,54.9 23.27,54.93 23.24,54.97 23.21,55.02 23.19,55.07 23.18,55.13 23.19,55.21 23.2,55.25 23.23,55.31 23.25,55.34 23.31,55.4 23.34,55.42 23.38,55.44 23.41,55.45 23.45,55.46 23.59,55.46 25.91,57.78 25.97,57.81 26.52,57.81 26.57,57.89 26.6,57.93 26.63,57.96 26.67,57.99 26.72,58.02 26.76,58.04 26.86,58.06 26.96,58.06 27.03,58.04 27.1,58.01 27.17,57.96 27.22,57.91 27.26,57.85 27.29,57.79 27.31,57.7 27.31,57.61 27.3,57.54 27.27,57.47 27.23,57.4 27.16,57.33 27.08,57.28 27,57.25 26.94,57.24 26.86,57.24 26.79,57.25 26.72,57.28 26.65,57.32 26.6,57.37 26.55,57.43 26.52,57.49 26.06,57.49 23.8,55.23 23.81,55.16 23.81,55.1 23.8,55.06
+3V3 on Bottom: 22.4,55.1 26.25,51.2 30.1,55.05 26.75,58.45 27.55,59.3 27.25,61.45 26.85,61.45 26.85,62.5 22.6,62.5 24.05,60.75 25.2,59.55 26,58.75
GND on Top: -1.8,94.5 -1.8,-1 284.2,-0.5 284.2,94.5
GND on Bottom: -1.8,94.5 -1.8,-1 284.2,-0.5 284.2,94.5

## Text on the board
B.Silkscreen: } / ] | ! / 1 | @ / 2 | # / 3 | $ / 4 | % / 5 | ^ / 6 | & / 7 | * / 8 | ( / 9 | < / , | ) / 0 | > / . | : / ; | _ / - | ? / / | {dblquote} / ' | + / = | ~ / ` | ESC | TAB | STEP_CAPS | 1.5U_LCTRL | 2.25U_LSHIFT | Q | A | Z | W | S | 1.5U_LALT | X | E | D | C | R | F | V | T | G | B | Y | H | N | 7U_SPACEBAR | U | J | M | I | K | O | L | P | 1.5U_RALT | 1.75U_RSHIFT | 2U_BACK | 2.25U_ENTER | 1.5U_RCTRL | FN | 1.5U_BACK / | / \
User.Drawings: D12
User.1: D2 | D3 | D1 | D6 | D4 | D5 | D7 | D8 | D12 | D11 | D9 | D10
